# Altium PCB EVK-IRIS-W1.PcbDoc (part 2 of 9) (continued)
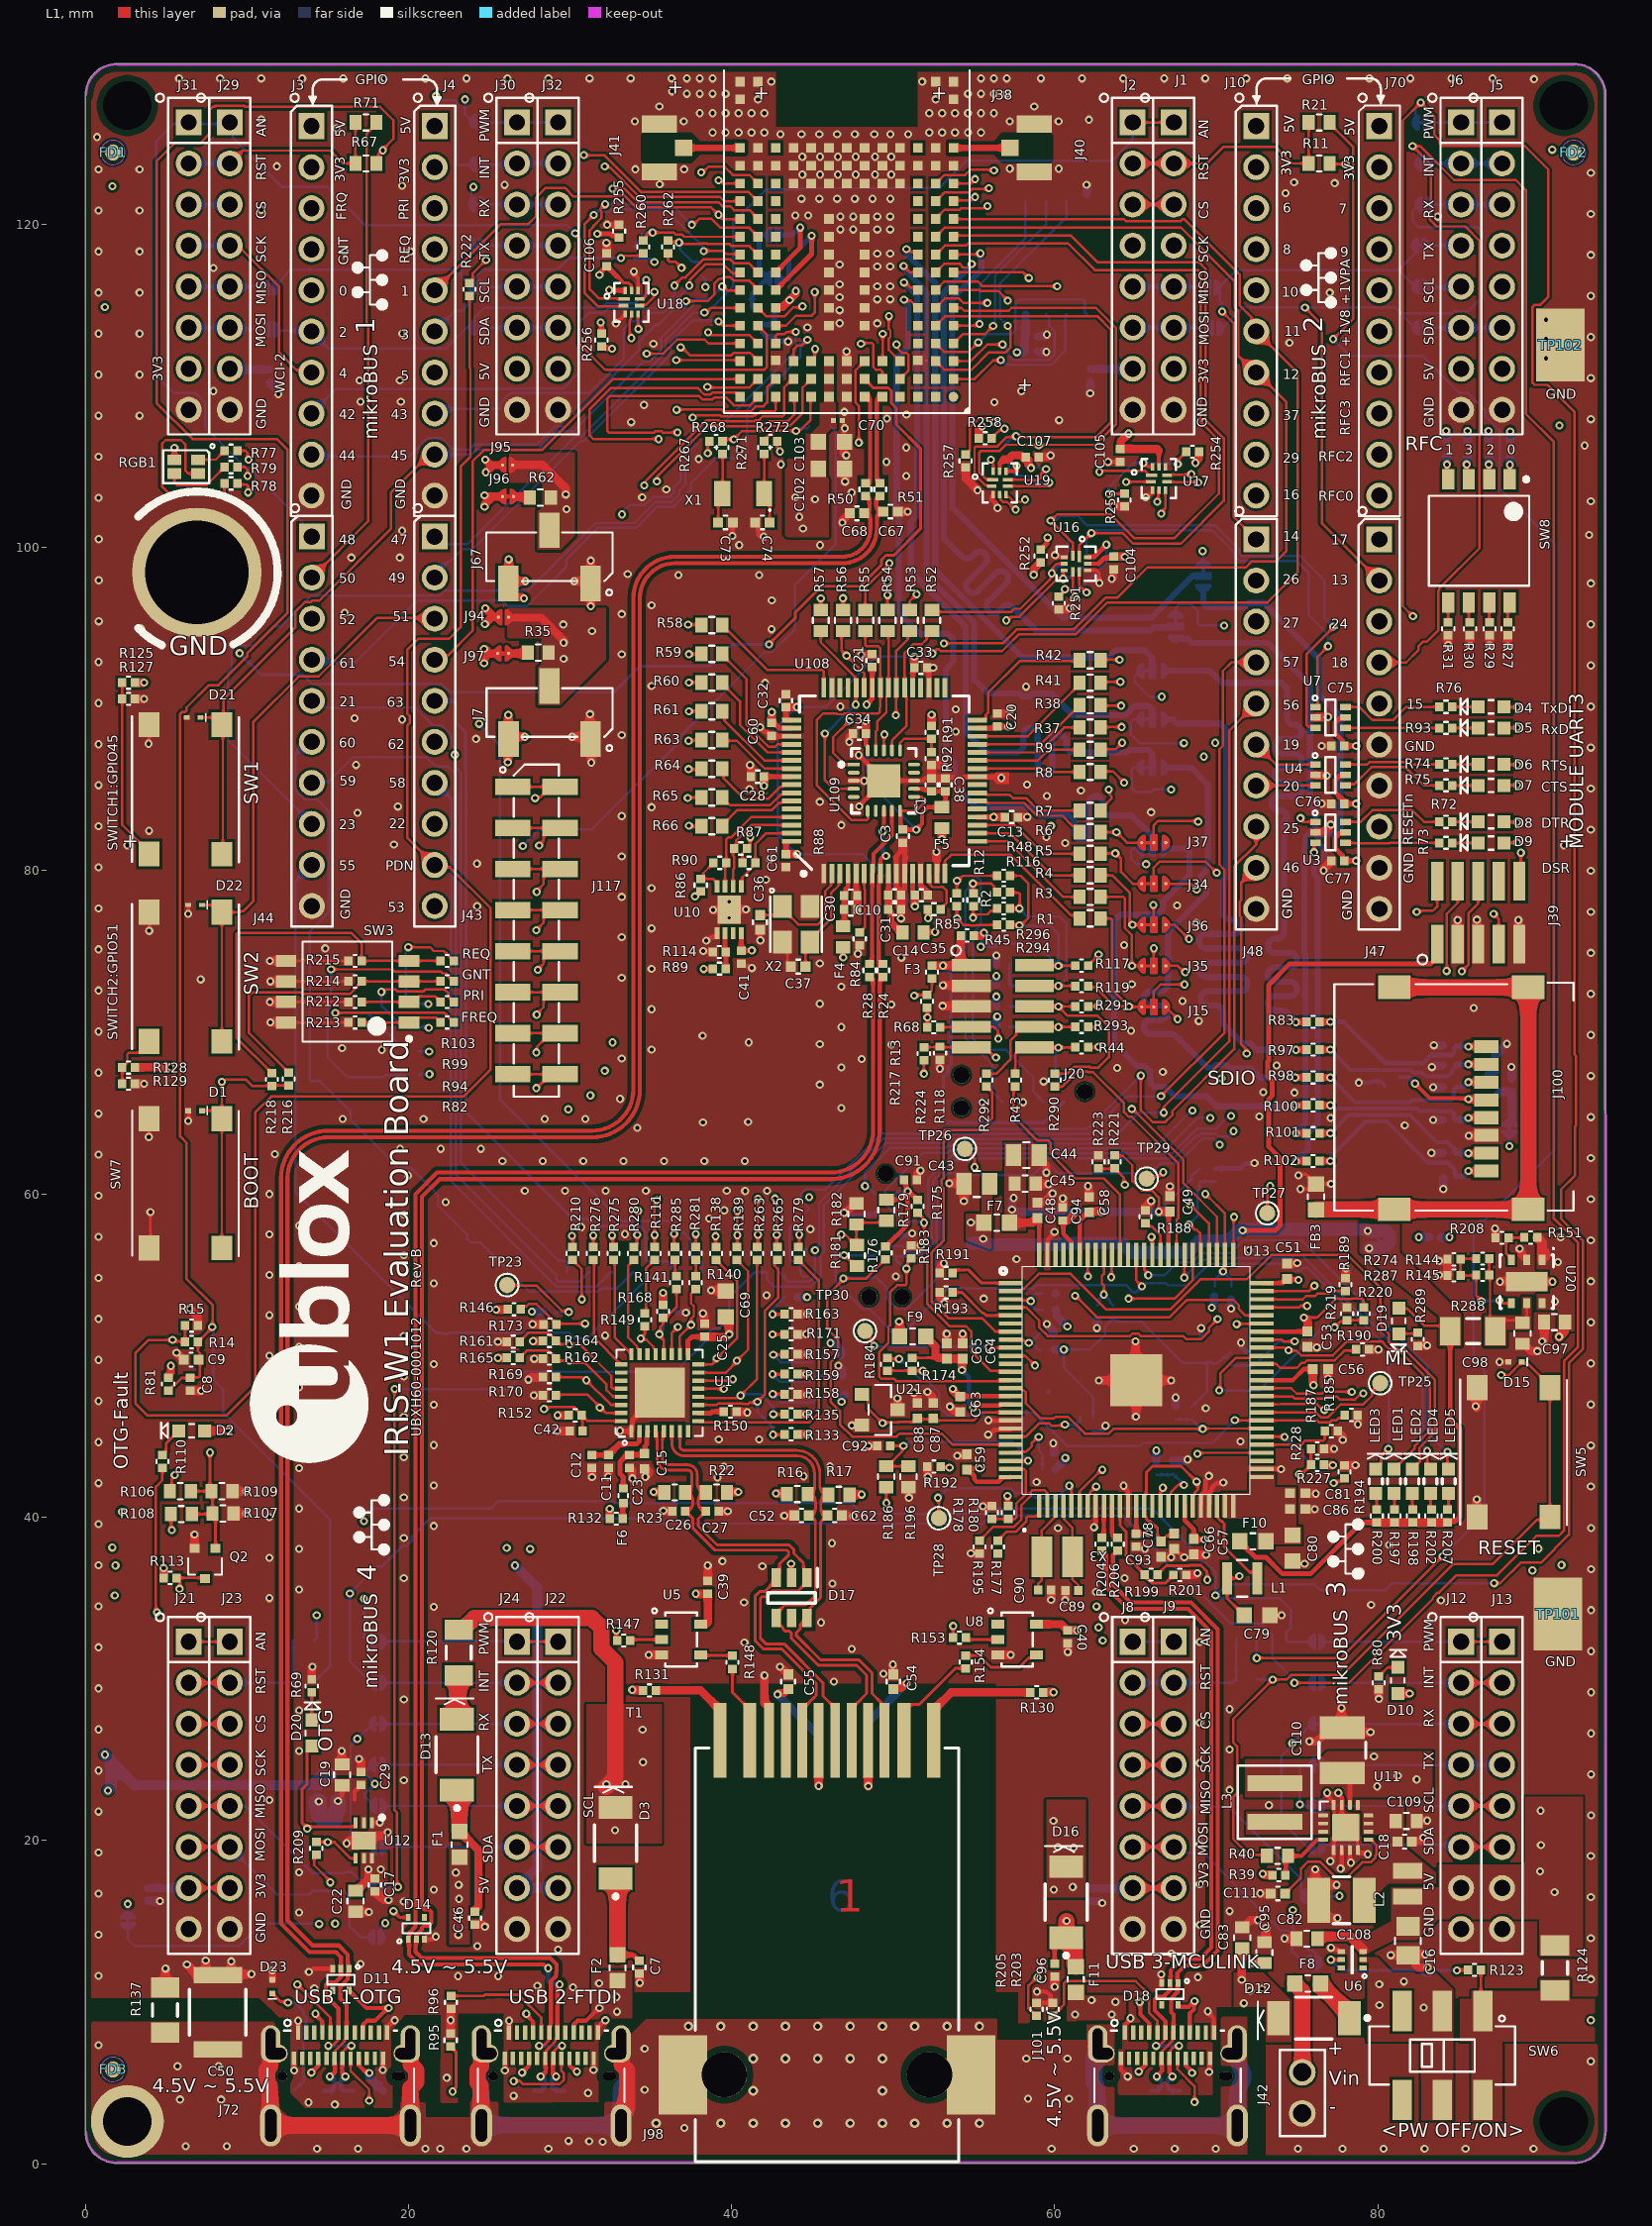
[diagram p0: L1 view]
## Footprints (in the part's own frame and the unit in brackets; to place one, negate y for a bottom-side part, rotate by r counter-clockwise, add the part's x,y. Pads: shape width x height; smd on the part's side, far side on the other; paste and mask are expansions set on the pad) (continued)
  rect 0.6x0.6 smd: 1(-0.475,0) 2(0.475,0)
  body extent -0.55,-0.3 0.55,0.3, height 0.6
Cap_0402_1100Lx600Wx600H_600x600Pad_350G_FLX#2 [mm] "Chip Capacitor, 2-Leads, 0402, Tolerance +/-0.1mm, Body max. 1.10x0.60mm, Approved by Flex (Cadence Library compatible)"
  rect 0.6x0.6 smd mask+0: 1(-0.475,0)
  rect 0.6x0.6 smd: 2(0.475,0)
  body extent -0.55,-0.3 0.55,0.3, height 0.6
Cap_0402_1200Lx700Wx700H_600x600Pad_350G_FLX [mm] "Chip Capacitor, 2-Leads, 0402, Tolerance +/-0.2mm, Body max. 1.20x0.70mm, Approved by Flex (Cadence Library compatible)"
  rect 0.6x0.6 smd: 1(-0.475,0) 2(0.475,0)
  body extent -0.6,-0.35 0.6,0.35, height 0.7
CON_USB-C-RA_W-6Tabs [mm] "USB Type-C connector DX07S024JJ3R1300"
  round 0.6 hole 0.6 unplated paste-0.3: 26(-3.6,0)
  oval 0.85x0.5 hole 0.5 slot 0.85 at 0 deg unplated paste-0.25: 26(3.6,0)
  rect 0.27x0.9 smd: A1(-2.625,2.7) A12(2.875,2.7)
  rect 0.27x0.9 smd mask+0.05: A2(-2.125,2.7) A3(-1.625,2.7) A4(-1.125,2.7) A5(-0.625,2.7) A6(-0.125,2.7) A7(0.375,2.7) A8(0.875,2.7) A9(1.375,2.7) A10(1.875,2.7) A11(2.375,2.7)
  rect 0.27x0.8 smd: B1(2.625,1.1) B12(-2.875,1.1)
  rect 0.27x0.8 smd mask+0.05: B2(2.125,1.1) B3(1.625,1.1) B4(1.125,1.1) B5(0.625,1.1) B6(0.125,1.1) B7(-0.375,1.1) B8(-0.875,1.1) B9(-1.375,1.1) B10(-1.875,1.1) B11(-2.375,1.1)
  rrect100% 1.3x2.6 hole 0.7 slot 2 at 90 deg paste-2.6: SHLD(-4.32,-3.05) SHLD(4.32,-3.05)
  rrect100% 1.2x2.3 hole 0.6 slot 1.9 at 90 deg paste-2.3: SHLD(-4.32,2) SHLD(4.32,2)
  rrect100% 1.65x1.1 hole 0.7 slot 1.25 at 0 deg copper offset -0.1,0 paste-1.65: SHLD(-3.995,1.4)
  rrect100% 1.65x1.1 hole 0.7 slot 1.25 at 0 deg copper offset 0.1,0 paste-1.65: SHLD(3.995,1.4)
  silkscreen extent -4.53,-1.6 4.53,3.49, body extent -4.47,-5.4 4.47,2.77, height 3.14
CONN_61300211121_WRE [mil]
  round 65 / inner round 60 / far side round 65 hole 45 paste-32.5 mask+0: 1(0,0) 2(100,0)
  silkscreen extent -55,-55 155,55
DFN10 [mm]
  rect 0.6x0.2 smd: 1(-1.001,1.801) 2(-1.001,1.001) 3(-1.001,0.201) 4(-1.001,-0.599) 5(-1.001,-1.399) 6(0.999,-1.799) 7(0.999,-0.999) 8(0.999,-0.199) 9(0.999,0.601) 10(0.999,1.401)
  rect 0.8x1.4 smd: 11(-0.001,0.401)
  silkscreen extent -1.8,-2.05 1,2.05, body extent -1,-2.05 1,2.05, height 0.65
DFN-MC8 [mm] "SON, 8-Leads, Body 2x3mm, Pitch 0.5mm, Microchip Recommended"
  rect 0.75x0.3 smd: 1(-1.45,0.75) 2(-1.45,0.25) 3(-1.45,-0.25) 4(-1.45,-0.75) 5(1.45,-0.75) 6(1.45,-0.25) 7(1.45,0.25) 8(1.45,0.75)
  rect 1.75x1.45 smd: 9(0,0)
  silkscreen extent -2.18,1.05 -2.09,1.15, body extent -1.55,-1.05 1.55,1.05, height 1
DFN-PSON.1P3X3-7pin_HS-7N [mm] "PSON, 6-Leads, Body 3,00x3,00mm, Pitch 0,95mm, Thermal Pad 2,60x1,22mm, IPC Medium Density"
  rect 0.63x0.45 smd mask+0: 1(-1.34,0.95) 5(1.34,0) 6(1.34,0.95)
  rect 0.63x0.45 smd: 2(-1.34,0)
  rect 0.63x0.45 smd mask+0.05: 3(-1.34,-0.95) 4(1.34,-0.95)
  rect 1.22x2.6 smd: 7(0,0)
  silkscreen extent -2.1,-1.65 1.65,1.7, body extent -1.5,-1.5 1.5,1.5, height 1
"Fiducial 1mm - Circle"#1 [mm] "1mm Fiducial Mark"
  round 1 smd paste-10: ""(0,0)
  L1 keep-out circle w0.01: c0,0 r0.75
"Fiducial 1mm - Circle"#2 [mm] "1mm Fiducial Mark"
  round 1 smd paste-10: 1(0,0)
  L1 keep-out circle w0.01: c0,0 r0.75
FP-1812-L_4_6_0_5-W_3_2_0-MFG [mm]
  rect 1x3 smd paste+0 mask+0: 1(-2.3,0) 2(2.3,0)
  silkscreen extent -1.43,-1.75 1.43,1.75, body extent -2.9,-1.85 2.9,1.85, height 0.25
FP-M-FLAT-MFG#1 [mm]
  rect 1.4x2.1 smd paste+0: 1(-2.2,0)
  rect 1.4x2.1 smd paste+0 mask+0: 2(2.2,0)
  silkscreen extent -3.43,-1.3 3.47,1.3, body extent -3,-1.4 3,1.4, height 0.25
FP-M-FLAT-MFG#2 [mm]
  rect 1.4x2.1 smd paste+0: 1(-2.2,0) 2(2.2,0)
  silkscreen extent -3.43,-1.3 3.47,1.3, body extent -3,-1.4 3,1.4, height 0.25
HDR-0.1P-3Pin-1Row-SMT [mm] "Header 0.1\" Pitch, 3 Pin, 3x1, Surface Mount"
  rect 1.27x2.2 smd: 1(-2.54,1.65) 3(2.54,1.65)
  rect 1.27x2.2 smd mask+0: 2(0,-1.65)
  silkscreen extent -3.9,-1.5 3.9,2.38, body extent -3.81,-2.54 3.81,2.54, height 9.93
HDR-0.1P-10PIN-10X1-TH [mm] "Header 0.1\" Pitch, 10 Pin, 10x1, Through Hole"
  rect 1.6x1.6 hole 1: 1(0,11.43)
  round 1.6 hole 1: 2(0,8.89) 3(0,6.35) 4(0,3.81) 5(0,1.27) 6(0,-1.27) 7(0,-3.81) 8(0,-6.35) 9(0,-8.89) 10(0,-11.43)
  silkscreen extent -1.29,-12.7 1.27,13.44, body extent -1.27,-12.7 1.27,12.7, height 8.13
HDR-0.1P-10PIN-10x1-TH [mm] "Header 0.1\" Pitch, 10 Pin, 10x1, Through Hole"
  rect 1.6x1.6 hole 1: 1(0,11.43)
  round 1.6 hole 1: 2(0,8.89) 3(0,6.35) 4(0,3.81) 5(0,1.27) 6(0,-1.27) 7(0,-3.81) 8(0,-6.35) 9(0,-8.89) 10(0,-11.43)
  silkscreen extent -1.29,-12.7 1.27,13.44, body extent -1.27,-12.7 1.27,12.7, height 8.13
HDR.050P-10Pin-2x5-SMT_Key [mm] "Header, 0.05\" Pitch, 10 Pin 2 x 5, Keyed, SMT, 6.35mm x 5.84mm"
  rect 0.76x2.4 smd: 1(-2.54,-1.95) 2(-2.54,1.95) 3(-1.27,-1.95) 4(-1.27,1.95) 5(0,-1.95) 6(0,1.95) 7(1.27,-1.95) 8(1.27,1.95) 9(2.54,-1.95) 10(2.54,1.95)
  silkscreen extent -3.75,-3.2 -3.15,-2.6, body extent -3.4,-2.9 3.4,2.9, height 5.96
"IND 0402" [mm] "Chip Inductor, 2-Leads, Body 1.00x0.50mm, IPC Medium Density"
  rect 0.5x0.55 smd: 1(-0.45,0) 2(0.45,0)
  silkscreen extent -0.1,-0.3 0.1,0.3, body extent -0.53,-0.28 0.53,0.28, height 0.55
"IND 0603"#1 [mm] "Chip Inductor 0603, 2-Leads, Body 1.60x0.80mm, IPC Medium Density"
  rect 0.95x1 smd mask+0: 1(-0.8,0)
  rect 0.95x1 smd: 2(0.8,0)
  silkscreen extent -0.15,-0.5 0.15,0.5, body extent -0.87,-0.5 0.87,0.5, height 0.95
"IND 0603"#2 [mm] "Chip Inductor 0603, 2-Leads, Body 1.60x0.80mm, IPC Medium Density"
  rect 0.95x1 smd mask+0: 1(-0.8,0) 2(0.8,0)
  silkscreen extent -0.15,-0.5 0.15,0.5, body extent -0.87,-0.5 0.87,0.5, height 0.95
"IND 0603"#3 [mm] "Chip Inductor 0603, 2-Leads, Body 1.60x0.80mm, IPC Medium Density"
  rect 0.95x1 smd: 1(-0.8,0) 2(0.8,0)
  silkscreen extent -0.15,-0.5 0.15,0.5, body extent -0.87,-0.5 0.87,0.5, height 0.95
"IND 0603"#4 [mm] "Chip Inductor 0603, 2-Leads, Body 1.60x0.80mm, IPC Medium Density"
  rect 0.95x1 smd: 1(-0.8,0)
  rect 0.95x1 smd mask+0: 2(0.8,0)
  silkscreen extent -0.15,-0.5 0.15,0.5, body extent -0.87,-0.5 0.87,0.5, height 0.95
"IND 0603 HD" [mm] "Chip Inductor 0603, 2-Leads, Body 1.60x0.80mm, IPC High Density"
  rect 0.75x0.9 smd: 1(-0.65,0) 2(0.65,0)
  body extent -0.85,-0.45 0.85,0.45, height 0.9
"IND 0806" [mm] "Inductor 0806, IPC Medium density"
  rect 1x1.8 smd mask+0: 1(-0.8,0) 2(0.8,0)
  body extent -1,-0.8 1,0.8, height 1.8
Ind_4mmx4mm [mm] "Inductor 4mm Square"
  rect 0.98x3.4 smd paste+0 mask+0: 1(-1.185,0) 2(1.185,0)
  silkscreen extent -2.26,-2.26 2.29,2.29, body extent -2.15,-2.15 2.15,2.15, height 2.11
IND_LQH2HPN4R7MJRL_MUR [mil]
  rect 24.5x79 smd paste+0 mask+0: 1(-36.75,0) 2(36.75,0)
  silkscreen extent -12,-44 12,44, body extent -50,-41 51,41, height 10
IRIS-W1x6_LGA152 [mm] "IRIS LGA, 152pin ,1.1mm Pitch, 14.6mm x 20.9mm"
  round 0.6 smd: A1(-7.7,-6.6)
  rect 0.6x0.6 smd: A2(-6.6,-6.6) A3(-5.5,-6.6) A4(-4.4,-6.6) A5(-3.3,-6.6) A6(-2.2,-6.6) A7(-1.1,-6.6) A8(0,-6.6) A9(1.1,-6.6) A10(2.2,-6.6) A11(3.3,-6.6) A12(4.4,-6.6) A14(5.5,-6.6) A15(6.6,-6.6) A16(7.7,-6.6) A19(10.7,-6.6) A20(11.8,-6.6) B1(-7.7,-5.5) B2(-6.6,-5.5) B3(-5.5,-5.5) B4(-4.4,-5.5) B5(-3.3,-5.5) B6(-2.2,-5.5) B7(-1.1,-5.5) B8(0,-5.5) B9(1.1,-5.5) B10(2.2,-5.5) B11(3.3,-5.5) B12(4.4,-5.5) B14(5.5,-5.5) B15(6.6,-5.5) B16(7.7,-5.5) B20(11.8,-5.5) C1(-7.7,-4.4) C2(-6.6,-4.4) C3(-5.45,-4.4) C4(-4.4,-4.4) C5(-3.3,-4.4) C6(-2.2,-4.4) C7(-1.1,-4.4) C8(0,-4.4) C9(1.1,-4.4) C10(2.2,-4.4) C11(3.3,-4.4) C12(4.4,-4.4) C14(5.5,-4.4) C15(6.6,-4.4) C16(7.7,-4.4) D1(-7.7,-3.3) D2(-6.6,-3.3) D3(-5.5,-3.3) D14(5.5,-3.3) D15(6.6,-3.3) D16(7.7,-3.3) E1(-7.7,-2.2) E2(-6.6,-2.2) E3(-5.5,-2.2) E14(5.5,-2.2) E15(6.6,-2.2) E16(7.7,-2.2) F1(-7.7,-1.1) F2(-6.6,-1.1) F3(-5.5,-1.1) F5(-3.3,-1.1) F6(-2.2,-1.1) F7(-1.1,-1.1) F8(0,-1.1) F9(1.1,-1.1) F10(2.2,-1.1) F11(3.3,-1.1) F14(5.5,-1.1) F15(6.6,-1.1) F16(7.7,-1.1) G1(-7.7,0) G2(-6.6,0) G3(-5.5,0) G14(5.5,0) G15(6.6,0) G16(7.7,0) H1(-7.7,1.1) H2(-6.6,1.1) H3(-5.5,1.1) H5(-3.3,1.1) H6(-2.2,1.1) H7(-1.1,1.1) H8(0,1.1) H9(1.1,1.1) H10(2.2,1.1) H11(3.3,1.1) H14(5.5,1.1) H15(6.6,1.1) H16(7.7,1.1) J1(-7.7,2.2) J2(-6.6,2.2) J3(-5.5,2.2) J14(5.5,2.2) J15(6.6,2.2) J16(7.7,2.2) K1(-7.7,3.3) K2(-6.6,3.3) K3(-5.5,3.3) K14(5.5,3.3) K15(6.6,3.3) K16(7.7,3.3) L1(-7.7,4.4) L2(-6.6,4.4) L3(-5.45,4.4) L4(-4.4,4.4) L5(-3.3,4.4) L6(-2.2,4.4) L7(-1.1,4.4) L8(0,4.4) L9(1.1,4.4) L10(2.2,4.4) L11(3.3,4.4) L12(4.4,4.4) L14(5.5,4.4) L15(6.6,4.4) L16(7.7,4.4) M1(-7.7,5.5) M2(-6.6,5.5) M3(-5.5,5.5) M4(-4.4,5.5) M5(-3.3,5.5) M6(-2.2,5.5) M7(-1.1,5.5) M8(0,5.5) M9(1.1,5.5) M10(2.2,5.5) M11(3.3,5.5) M12(4.4,5.5) M14(5.5,5.5) M15(6.6,5.5) M16(7.7,5.5) M20(11.8,5.5) N1(-7.7,6.6) N2(-6.6,6.6) N3(-5.5,6.6) N4(-4.4,6.6) N5(-3.3,6.6) N6(-2.2,6.6) N7(-1.1,6.6) N8(0,6.6) N9(1.1,6.6) N10(2.2,6.6) N11(3.3,6.6) N12(4.4,6.6) N14(5.5,6.6) N15(6.6,6.6) N16(7.7,6.6) N19(10.7,6.6) N20(11.8,6.6)
  Multi-Layer pour cut-out: 9,-4.4 12.5,-4.4 12.5,4.4 9,4.4
  silkscreen extent -8.7,-7.6 12.5,7.6, body extent -8.4,-7.3 12.5,7.3, height 2.22
LED-0603 [mm] "led-0603"
  rect 0.8x0.8 smd: 1(-0.8,0) 2(0.8,0)
  silkscreen extent -1.88,-0.48 0.15,0.52, body extent -0.8,-0.4 0.8,0.4, height 0.6
LED_1616 [mm]
  rect 0.65x0.85 smd: 1(-0.425,0.725) 2(0.425,0.725) 3(0.425,-0.725) 4(-0.425,-0.725)
  silkscreen extent -1.4,-1.41 1.01,1.75, body extent -0.83,-0.83 0.83,0.83, height 0.4
Micro_SD_SKT_SMT_RA [mm] "Micro SD Card socket, Surface Mount, Right Angle with 4 ground tabs 13.6mm x 14.5mm"
  rect 0.8x1.5 smd: 1(3.85,0) 2(2.75,0) 3(1.65,0) 4(0.55,0) 5(-0.55,0) 6(-1.65,0) 7(-2.75,0) 8(-3.85,0)
  rect 1.45x2 smd: 9(-6.23,-2.6) 9(-6.23,5.7) 9(7.52,-2.6) 9(7.52,5.7)
  silkscreen extent -6.3,-5.4 7.8,9.4, body extent -6.65,-5.2 7.95,9.3, height 1.87
QFN0.5P3x3-16Pin_W-Pad [mm] "Quad Flat No-Lead, 0.5mm Pitch, 16 Contact, Exposed Pad, 3mmX3mm"
  rrect50% 0.6x0.24 smd mask+0.05: 1(-1.4,0.75) 2(-1.4,0.25) 3(-1.4,-0.25)
  rrect50% 0.6x0.24 smd: 4(-1.4,-0.75) 9(1.4,-0.75)
  rrect50% 0.24x0.6 smd: 5(-0.75,-1.4) 6(-0.25,-1.4) 7(0.25,-1.4) 8(0.75,-1.4) 14(0.25,1.4) 15(-0.25,1.4) 16(-0.75,1.4)
  rrect50% 0.6x0.24 smd mask+0: 10(1.4,-0.25) 11(1.4,0.25) 12(1.4,0.75)
  rrect50% 0.24x0.6 smd mask+0: 13(0.75,1.4)
  rrect10% 1.68x1.68 smd: EPAD(0,0)
  silkscreen extent -1.6,1.1 -1.1,1.6, body extent -1.52,-1.52 1.52,1.52, height 0.9
QFN0.5P8x8-32Pin_W-Pad [mm]
  rect 0.76x0.26 smd: 1(-2.385,1.75) 2(-2.385,1.25) 3(-2.385,0.75) 4(-2.385,0.25) 5(-2.385,-0.25) 6(-2.385,-0.75) 7(-2.385,-1.25) 8(-2.385,-1.75) 17(2.385,-1.75) 18(2.385,-1.25) 19(2.385,-0.75) 20(2.385,-0.25) 21(2.385,0.25) 22(2.385,0.75) 23(2.385,1.25) 24(2.385,1.75)
  rect 0.26x0.76 smd: 9(-1.75,-2.385) 10(-1.25,-2.385) 11(-0.75,-2.385) 12(-0.25,-2.385) 13(0.25,-2.385) 14(0.75,-2.385) 15(1.25,-2.385) 16(1.75,-2.385) 25(1.75,2.385) 26(1.25,2.385) 27(0.75,2.385) 28(0.25,2.385) 29(-0.25,2.385) 30(-0.75,2.385) 31(-1.25,2.385) 32(-1.75,2.385)
  rect 3.1x3.1 smd: 33(0,0)
  silkscreen extent -3.24,-2.67 2.67,2.74, body extent -2.52,-2.52 2.52,2.52, height 1
QFN_5x5_FT231XQ [mm]
  rect 0.74x0.242 smd paste+0 mask+0: 1(-1.866,1)
  rrect100% 0.74x0.242 smd paste+0 mask+0: 2(-1.866,0.5) 3(-1.866,0) 4(-1.866,-0.5) 5(-1.866,-1) 11(1.865,-1) 12(1.865,-0.5) 13(1.865,0) 14(1.865,0.5) 15(1.865,1)
  rrect100% 0.242x0.74 smd paste+0 mask+0: 6(-1,-1.865) 7(-0.5,-1.865) 8(0,-1.865) 9(0.5,-1.865) 10(1,-1.865) 16(1,1.866) 17(0.5,1.866) 18(0,1.866) 19(-0.5,1.866) 20(-1,1.866)
  rect 2.05x2.05 smd paste-1000 mask+0: 21(0,0)
  silkscreen extent -2.76,-2 2,2, body extent -2.34,-2.34 2.34,2.34, height 0.25
QFP0.5P16x16-64Pin_HD [mm] "Thin QFP, 64Pin, Body 10x10mm, Pitch 0.5mm, IPC High Density"
  rect 1.2x0.3 smd: 1(-5.75,3.75) 5(-5.75,1.75) 10(-5.75,-0.75) 11(-5.75,-1.25) 15(-5.75,-3.25) 35(5.75,-2.75) 47(5.75,3.25)
  rect 1.2x0.3 smd mask+0.05: 2(-5.75,3.25) 3(-5.75,2.75) 4(-5.75,2.25) 6(-5.75,1.25) 7(-5.75,0.75) 8(-5.75,0.25) 9(-5.75,-0.25) 12(-5.75,-1.75) 13(-5.75,-2.25) 14(-5.75,-2.75) 16(-5.75,-3.75) 33(5.75,-3.75) 34(5.75,-3.25) 36(5.75,-2.25) 37(5.75,-1.75) 38(5.75,-1.25) 39(5.75,-0.75) 40(5.75,-0.25) 41(5.75,0.25) 42(5.75,0.75) 43(5.75,1.25) 44(5.75,1.75) 45(5.75,2.25) 46(5.75,2.75) 48(5.75,3.75)
  rect 0.3x1.2 smd mask+0.05: 17(-3.75,-5.75) 18(-3.25,-5.75) 19(-2.75,-5.75) 20(-2.25,-5.75) 21(-1.75,-5.75) 22(-1.25,-5.75) 23(-0.75,-5.75) 24(-0.25,-5.75) 26(0.75,-5.75) 27(1.25,-5.75) 28(1.75,-5.75) 29(2.25,-5.75) 30(2.75,-5.75) 31(3.25,-5.75) 32(3.75,-5.75) 49(3.75,5.75) 50(3.25,5.75) 52(2.25,5.75) 53(1.75,5.75) 54(1.25,5.75) 55(0.75,5.75) 56(0.25,5.75) 57(-0.25,5.75) 58(-0.75,5.75) 59(-1.25,5.75) 60(-1.75,5.75) 61(-2.25,5.75) 62(-2.75,5.75) 63(-3.25,5.75) 64(-3.75,5.75)
  rect 0.3x1.2 smd: 25(0.25,-5.75) 51(2.75,5.75)
  silkscreen extent -5.87,-5.25 5.25,5.5, body extent -5,-5 5,5, height 1.6
QFP50P1600X1600X160-101N [mm]
  rect 1.45x0.27 smd: 1(-7.775,6) 2(-7.775,5.5) 3(-7.775,5) 4(-7.775,4.5) 5(-7.775,4) 6(-7.775,3.5) 7(-7.775,3) 8(-7.775,2.5) 9(-7.775,2) 10(-7.775,1.5) 11(-7.775,1) 12(-7.775,0.5) 13(-7.775,0) 14(-7.775,-0.5) 15(-7.775,-1) 16(-7.775,-1.5) 17(-7.775,-2) 18(-7.775,-2.5) 19(-7.775,-3) 20(-7.775,-3.5) 21(-7.775,-4) 22(-7.775,-4.5) 23(-7.775,-5) 24(-7.775,-5.5) 25(-7.775,-6) 52(7.775,-5.5) 53(7.775,-5) 54(7.775,-4.5) 55(7.775,-4) 56(7.775,-3.5) 57(7.775,-3) 58(7.775,-2.5) 59(7.775,-2) 60(7.775,-1.5) 61(7.775,-1) 62(7.775,-0.5) 63(7.775,0) 64(7.775,0.5) 65(7.775,1) 66(7.775,1.5) 67(7.775,2) 68(7.775,2.5) 69(7.775,3) 70(7.775,3.5) 71(7.775,4) 72(7.775,4.5) 73(7.775,5) 74(7.775,5.5) 75(7.775,6)
  rect 0.27x1.45 smd: 26(-6,-7.775) 27(-5.5,-7.775) 28(-5,-7.775) 29(-4.5,-7.775) 30(-4,-7.775) 31(-3.5,-7.775) 32(-3,-7.775) 33(-2.5,-7.775) 34(-2,-7.775) 35(-1.5,-7.775) 36(-1,-7.775) 37(-0.5,-7.775) 38(0,-7.775) 39(0.5,-7.775) 40(1,-7.775) 41(1.5,-7.775) 42(2,-7.775) 43(2.5,-7.775) 44(3,-7.775) 45(3.5,-7.775) 46(4,-7.775) 47(4.5,-7.775) 48(5,-7.775) 76(6,7.775) 77(5.5,7.775) 78(5,7.775) 79(4.5,7.775) 80(4,7.775) 81(3.5,7.775) 82(3,7.775) 83(2.5,7.775) 84(2,7.775) 85(1.5,7.775) 86(1,7.775) 87(0.5,7.775) 88(0,7.775) 89(-0.5,7.775) 90(-1,7.775) 91(-1.5,7.775) 92(-2,7.775) 93(-2.5,7.775) 94(-3,7.775) 95(-3.5,7.775) 96(-4,7.775) 97(-4.5,7.775) 98(-5,7.775) 99(-5.5,7.775) 100(-6,7.775)
  rect 0.27x1.45 smd mask+0: 49(5.5,-7.775) 50(6,-7.775)
  rect 1.45x0.27 smd mask+0: 51(7.775,-6)
  rect 3.21x3.21 smd: 101(0,0)
  silkscreen extent -8.41,-7.05 7.05,7.05, body extent -10,-3.38 10,3.38, height 5.8
"RES 0402 HD"#1 [mm] "Chip Resistor, 2-Leads, Body 1.05x0.54mm, IPC High Density"
  rect 0.52x0.55 smd: 1(-0.4,0) 2(0.4,0)
  silkscreen extent -0.1,-0.38 0.1,0.38, body extent -0.55,-0.3 0.55,0.3, height 0.4
"RES 0402 HD"#2 [mm] "Chip Resistor, 2-Leads, Body 1.05x0.54mm, IPC High Density"
  rect 0.52x0.55 smd: 1(-0.384,0) 2(0.4,0)
  silkscreen extent -0.1,-0.38 0.1,0.38, body extent -0.55,-0.3 0.55,0.3, height 0.4
"RES 0603 HD"#1 [mm] "Chip Resistor, 2-Leads, Body 1.60x0.80mm, IPC High Density"
  rect 0.75x0.9 smd: 1(-0.65,0) 2(0.65,0)
  silkscreen extent -0.15,-0.5 0.15,0.5, body extent -0.85,-0.48 0.85,0.48, height 0.55
"RES 0603 HD"#2 [mm] "Chip Resistor, 2-Leads, Body 1.60x0.80mm, IPC High Density"
  rect 0.75x0.9 smd mask+0: 1(-0.65,0)
  rect 0.75x0.9 smd: 2(0.65,0)
  silkscreen extent -0.15,-0.5 0.15,0.5, body extent -0.85,-0.48 0.85,0.48, height 0.55
"RES 0603 HD"#3 [mm] "Chip Resistor, 2-Leads, Body 1.60x0.80mm, IPC High Density"
  rect 0.75x0.9 smd: 1(-0.65,0)
  rect 0.75x0.9 smd mask+0: 2(0.65,0)
  silkscreen extent -0.15,-0.5 0.15,0.5, body extent -0.85,-0.48 0.85,0.48, height 0.55
"RES 1206"#1 [mm]
  rect 1.25x1.75 smd: 1(-1.4,0) 2(1.4,0)
  silkscreen extent -0.4,-0.77 0.4,0.77, body extent -1.68,-0.87 1.68,0.87, height 0.71
"RES 1206"#2 [mm]
  rect 1.25x1.75 smd mask+0: 1(-1.4,0) 2(1.4,0)
  silkscreen extent -0.4,-0.77 0.4,0.77, body extent -1.68,-0.87 1.68,0.87, height 0.71
"RES 1206"#3 [mm]
  rect 1.25x1.75 smd: 1(-1.4,0)
  rect 1.25x1.75 smd mask+0: 2(1.4,0)
  silkscreen extent -0.4,-0.77 0.4,0.77, body extent -1.68,-0.87 1.68,0.87, height 0.71
SC70-6 [mm] "SC70-6, 6-Pin, Body 2.00x2.10mm, Pitch 0.65mm, IPC High Density"
  rect 0.66x0.4 smd: 1(-0.925,0.65) 2(-0.925,0) 3(-0.925,-0.65) 4(0.925,-0.65) 5(0.925,0) 6(0.925,0.65)
  silkscreen extent -1.1,-1.1 0.3,1.35, body extent -0.67,-1.1 0.67,1.1, height 1.1
SKT-0.1P-8PIN-8X1_TH [mm] "8 pin socket"
  rect 1.6x1.6 hole 1: 1(0,0)
  round 1.6 hole 1: 2(2.54,0) 3(5.08,0) 4(7.62,0) 5(10.16,0) 6(12.7,0) 7(15.24,0) 8(17.78,0)
  silkscreen extent -1.78,-2.03 19.3,1.27, body extent -1.52,-1.27 19.3,1.27, height 8.51
SKT-0.1P-8PIN-8x1_TH [mm] "8 pin socket"
  rect 1.6x1.6 hole 1: 1(0,0)
  round 1.6 hole 1: 2(2.54,0) 3(5.08,0) 4(7.62,0) 5(10.16,0) 6(12.7,0) 7(15.24,0) 8(17.78,0)
  silkscreen extent -1.78,-2.03 19.3,1.27, body extent -1.52,-1.27 19.3,1.27, height 8.51
SKT-0.1P-SSM-108-L-SV [mm] "Con Socket Strip 0.1\" 8 Pin 1Row SMD, 20.32mm x 2.54mm"
  rect 1.02x2.19 smd: 1(-8.89,-1.465) 1(-8.89,1.465) 2(-6.35,-1.465) 2(-6.35,1.465) 3(-3.81,-1.465) 3(-3.81,1.465) 4(-1.27,1.465) 4(-1.27,-1.465) 5(1.27,1.465) 5(1.27,-1.465) 6(3.81,-1.465) 6(3.81,1.465) 7(6.35,-1.465) 7(6.35,1.465) 8(8.89,-1.465) 8(8.89,1.465)
  silkscreen extent -10.28,-2.24 10.28,1.4, body extent -10.16,-2.29 10.16,2.29, height 7.44
SMT-0603 [mm]
  rect 0.8x0.8 smd: 1(-0.75,0) 2(0.75,0)
  silkscreen extent -1.71,-0.5 0.17,0.5, body extent -0.84,-0.4 0.86,0.4, height 0.67
SOD-923#1 [mm] "SOD-923, 2-Leads, Body 1.25x2.50mm, IPC High Density,"
  rect 0.36x0.35 smd mask+0.05: 1(-0.42,0) 2(0.42,0)
  silkscreen extent -0.75,-0.25 -0.75,0.25, body extent -0.4,-0.3 0.4,0.3, height 0.4
SOD-923#2 [mm] "SOD-923, 2-Leads, Body 1.25x2.50mm, IPC High Density,"
  rect 0.36x0.25 smd mask+0.05: 1(-0.42,0) 2(0.42,0)
  silkscreen extent -0.75,-0.25 -0.75,0.25, body extent -0.4,-0.3 0.4,0.3, height 0.4
SOIC-8W [mm] "SOIC, 8-Leads, Wide Body 5.28x5.28mm, Pitch 1.27mm, IPC High Density"
  rect 1.4x0.55 smd: 1(-3.5,1.905) 2(-3.5,0.635) 3(-3.5,-0.635) 4(-3.5,-1.905) 5(3.5,-1.905) 6(3.5,-0.635) 7(3.5,0.635) 8(3.5,1.905)
  silkscreen extent -3.62,-2.7 2.4,2.99, body extent -2.7,-2.7 2.7,2.7, height 2.16
Solderbridge-Open#1 [mm]
  round 0.2 smd paste-10: 1(0,0) 2(0.625,0)
  L1 region: 0.389,0.432 0.465,0.505 0.583,0.467 0.648,0.424 0.721,0.351 0.775,0.292 0.833,0.193 0.861,0.099 0.856,-0.122 0.831,-0.193 0.747,-0.33 0.663,-0.411 0.571,-0.469 0.47,-0.5 0.419,-0.483 0.389,-0.43
  L1 region: 0.236,-0.432 0.16,-0.505 0.042,-0.467 -0.023,-0.424 -0.097,-0.351 -0.15,-0.292 -0.208,-0.193 -0.236,-0.099 -0.231,0.122 -0.206,0.193 -0.122,0.33 -0.038,0.411 0.054,0.469 0.155,0.5 0.206,0.483 0.236,0.43
  L1 lines w0.152: -0.137,-0.178 ccw(c0.27,0) 0,-0.353 ccw(c0.27,0) 0.103,-0.412 ccw(c0.27,0) 0.11,-0.415 ccw(c0.27,0) 0.159,-0.431 ; 0,0.353 cw(c0.27,0) 0.025,0.371 cw(c0.27,0) 0.159,0.431 ; 0.465,0.431 cw(c0.355,0) 0.774,0.149 cw(c0.355,0) 0.799,0 cw(c0.355,0) 0.774,-0.149 cw(c0.355,0) 0.762,-0.178 cw(c0.355,0) 0.465,-0.431
Solderbridge-Open#2 [mm]
  round 0.2 smd paste-10: 1(0,0) 2(0.625,0)
  L1 region: 0.236,-0.432 0.16,-0.505 0.042,-0.467 -0.023,-0.424 -0.097,-0.351 -0.15,-0.292 -0.208,-0.193 -0.236,-0.099 -0.231,0.122 -0.206,0.193 -0.122,0.33 -0.038,0.411 0.054,0.469 0.155,0.5 0.206,0.483 0.236,0.43
  L1 region: 0.389,0.432 0.465,0.505 0.583,0.467 0.648,0.424 0.721,0.351 0.775,0.292 0.833,0.193 0.861,0.099 0.856,-0.122 0.831,-0.193 0.747,-0.33 0.663,-0.411 0.571,-0.469 0.47,-0.5 0.419,-0.483 0.389,-0.43
  L1 lines w0.152: 0.159,0.431 ccw(c0.27,0) 0.025,0.371 ccw(c0.27,0) 0,0.353 ccw(c0.27,0) -0.175,0 ccw(c0.27,0) -0.149,-0.149 ccw(c0.27,0) -0.137,-0.178 ccw(c0.27,0) 0,-0.353 ccw(c0.27,0) 0.103,-0.412 ccw(c0.27,0) 0.11,-0.415 ccw(c0.27,0) 0.159,-0.431 ; 0.465,0.431 cw(c0.355,0) 0.774,0.149 cw(c0.355,0) 0.799,0 cw(c0.355,0) 0.799,-0.021 cw(c0.355,0) 0.774,-0.149 cw(c0.355,0) 0.762,-0.178 cw(c0.355,0) 0.465,-0.431
Solderbridge-Open#3 [mm]
  round 0.2 smd paste-10: 1(0,0) 2(0.625,0)
  L1 region: 0.236,-0.432 0.16,-0.505 0.042,-0.467 -0.023,-0.424 -0.097,-0.351 -0.15,-0.292 -0.208,-0.193 -0.236,-0.099 -0.231,0.122 -0.206,0.193 -0.122,0.33 -0.038,0.411 0.054,0.469 0.155,0.5 0.206,0.483 0.236,0.43
  L1 region: 0.389,0.432 0.465,0.505 0.583,0.467 0.648,0.424 0.721,0.351 0.775,0.292 0.833,0.193 0.861,0.099 0.856,-0.122 0.831,-0.193 0.747,-0.33 0.663,-0.411 0.571,-0.469 0.47,-0.5 0.419,-0.483 0.389,-0.43
  L1 lines w0.152: 0.159,0.431 ccw(c0.27,0) 0.025,0.371 ccw(c0.27,0) 0,0.353 ccw(c0.27,0) -0.175,0 ccw(c0.27,0) -0.137,-0.178 ccw(c0.27,0) 0,-0.353 ccw(c0.27,0) 0.103,-0.412 ccw(c0.27,0) 0.11,-0.415 ccw(c0.27,0) 0.159,-0.431 ; 0.465,0.431 cw(c0.355,0) 0.774,0.149 cw(c0.355,0) 0.799,0 cw(c0.355,0) 0.774,-0.149 cw(c0.355,0) 0.762,-0.178 cw(c0.355,0) 0.465,-0.431
Solderbridge-Open#4 [mm]
  round 0.2 smd paste-10: 1(0,0) 2(0.625,0)
  L1 region: 0.236,-0.432 0.16,-0.505 0.042,-0.467 -0.023,-0.424 -0.097,-0.351 -0.15,-0.292 -0.208,-0.193 -0.236,-0.099 -0.231,0.122 -0.206,0.193 -0.122,0.33 -0.038,0.411 0.054,0.469 0.155,0.5 0.206,0.483 0.236,0.43
  L1 region: 0.389,0.432 0.465,0.505 0.583,0.467 0.648,0.424 0.721,0.351 0.775,0.292 0.833,0.193 0.861,0.099 0.856,-0.122 0.831,-0.193 0.747,-0.33 0.663,-0.411 0.571,-0.469 0.47,-0.5 0.419,-0.483 0.389,-0.43
  L1 lines w0.152: -0.137,-0.178 ccw(c0.27,0) 0,-0.353 ccw(c0.27,0) 0.103,-0.412 ccw(c0.27,0) 0.11,-0.415 ccw(c0.27,0) 0.159,-0.431 ; 0,0.353 cw(c0.27,0) 0.025,0.371 cw(c0.27,0) 0.159,0.431 ; 0.465,0.431 cw(c0.355,0) 0.774,0.149 ; 0.465,-0.431 ccw(c0.355,0) 0.762,-0.178 ccw(c0.355,0) 0.774,-0.149
Solderbridge-Open#5 [mm]
  round 0.2 smd paste-10: 1(0,0) 2(0.625,0)
  L1 region: 0.389,0.432 0.465,0.505 0.583,0.467 0.648,0.424 0.721,0.351 0.775,0.292 0.833,0.193 0.861,0.099 0.856,-0.122 0.831,-0.193 0.747,-0.33 0.663,-0.411 0.571,-0.469 0.47,-0.5 0.419,-0.483 0.389,-0.43
  L1 region: 0.236,-0.432 0.16,-0.505 0.042,-0.467 -0.023,-0.424 -0.097,-0.351 -0.15,-0.292 -0.208,-0.193 -0.236,-0.099 -0.231,0.122 -0.206,0.193 -0.122,0.33 -0.038,0.411 0.054,0.469 0.155,0.5 0.206,0.483 0.236,0.43
  L1 lines w0.152: 0.159,0.431 ccw(c0.27,0) 0.025,0.371 ccw(c0.27,0) 0,0.353 ccw(c0.27,0) -0.059,0.299 ccw(c0.27,0) -0.175,0 ccw(c0.27,0) -0.137,-0.178 ccw(c0.27,0) -0.121,-0.211 ccw(c0.27,0) -0.119,-0.214 ccw(c0.27,0) 0,-0.353 ccw(c0.27,0) 0.103,-0.412 ccw(c0.27,0) 0.11,-0.415 ccw(c0.27,0) 0.159,-0.431 ; 0.465,0.431 cw(c0.355,0) 0.774,0.149 cw(c0.355,0) 0.799,0 cw(c0.355,0) 0.774,-0.149 cw(c0.355,0) 0.762,-0.178 cw(c0.355,0) 0.465,-0.431
Solderbridge-Open#6 [mm]
  round 0.2 smd paste-10: 1(0,0) 2(0.625,0)
  L1 region: 0.389,0.432 0.465,0.505 0.583,0.467 0.648,0.424 0.721,0.351 0.775,0.292 0.833,0.193 0.861,0.099 0.856,-0.122 0.831,-0.193 0.747,-0.33 0.663,-0.411 0.571,-0.469 0.47,-0.5 0.419,-0.483 0.389,-0.43
  L1 region: 0.236,-0.432 0.16,-0.505 0.042,-0.467 -0.023,-0.424 -0.097,-0.351 -0.15,-0.292 -0.208,-0.193 -0.236,-0.099 -0.231,0.122 -0.206,0.193 -0.122,0.33 -0.038,0.411 0.054,0.469 0.155,0.5 0.206,0.483 0.236,0.43
  L1 lines w0.152: 0.159,0.431 ccw(c0.27,0) 0.025,0.371 ccw(c0.27,0) 0,0.353 ccw(c0.27,0) -0.175,0 ccw(c0.27,0) -0.161,-0.11 ccw(c0.27,0) -0.137,-0.178 ccw(c0.27,0) 0,-0.353 ccw(c0.27,0) 0.103,-0.412 ccw(c0.27,0) 0.11,-0.415 ccw(c0.27,0) 0.159,-0.431 ; 0.465,0.431 cw(c0.355,0) 0.774,0.149 cw(c0.355,0) 0.799,0 cw(c0.355,0) 0.774,-0.149 cw(c0.355,0) 0.762,-0.178 cw(c0.355,0) 0.465,-0.431
Solderbridge-Open#7 [mm]
  round 0.2 smd paste-10: 1(0,0) 2(0.625,0)
  L1 region: 0.236,-0.432 0.16,-0.505 0.042,-0.467 -0.023,-0.424 -0.097,-0.351 -0.15,-0.292 -0.208,-0.193 -0.236,-0.099 -0.231,0.122 -0.206,0.193 -0.122,0.33 -0.038,0.411 0.054,0.469 0.155,0.5 0.206,0.483 0.236,0.43
  L1 region: 0.389,0.432 0.465,0.505 0.583,0.467 0.648,0.424 0.721,0.351 0.775,0.292 0.833,0.193 0.861,0.099 0.856,-0.122 0.831,-0.193 0.747,-0.33 0.663,-0.411 0.571,-0.469 0.47,-0.5 0.419,-0.483 0.389,-0.43
  L1 lines w0.152: 0.159,0.431 ccw(c0.27,0) 0.025,0.371 ccw(c0.27,0) 0,0.353 ccw(c0.27,0) -0.175,0 ccw(c0.27,0) -0.174,-0.009 ccw(c0.27,0) -0.137,-0.178 ccw(c0.27,0) 0,-0.353 ccw(c0.27,0) 0.103,-0.412 ccw(c0.27,0) 0.11,-0.415 ccw(c0.27,0) 0.159,-0.431
Solderbridge-Open#8 [mm]
  round 0.2 smd paste-10: 1(0,0) 2(0.625,0)
  L1 region: 0.389,0.432 0.465,0.505 0.583,0.467 0.648,0.424 0.721,0.351 0.775,0.292 0.833,0.193 0.861,0.099 0.856,-0.122 0.831,-0.193 0.747,-0.33 0.663,-0.411 0.571,-0.469 0.47,-0.5 0.419,-0.483 0.389,-0.43
  L1 region: 0.236,-0.432 0.16,-0.505 0.042,-0.467 -0.023,-0.424 -0.097,-0.351 -0.15,-0.292 -0.208,-0.193 -0.236,-0.099 -0.231,0.122 -0.206,0.193 -0.122,0.33 -0.038,0.411 0.054,0.469 0.155,0.5 0.206,0.483 0.236,0.43
  L1 lines w0.152: 0.159,0.431 ccw(c0.27,0) 0.025,0.371 ccw(c0.27,0) 0,0.353 ccw(c0.27,0) -0.175,0 ccw(c0.27,0) -0.137,-0.178 ccw(c0.27,0) 0,-0.353 ccw(c0.27,0) 0.103,-0.412 ccw(c0.27,0) 0.11,-0.415 ccw(c0.27,0) 0.159,-0.431
Solderbridge-Option#1 [mm]
  round 0.2 smd paste-10: 1(0,0) 2(0.75,0) 3(1.501,0)
  L1 region: 0.575,0.45 0.575,-0.45 0.925,-0.45 0.925,0.45
  L1 region: 0.236,-0.432 0.16,-0.505 0.042,-0.467 -0.023,-0.424 -0.097,-0.351 -0.15,-0.292 -0.208,-0.193 -0.236,-0.099 -0.231,0.122 -0.206,0.193 -0.122,0.33 -0.038,0.411 0.054,0.469 0.155,0.5 0.206,0.483 0.236,0.43
  L1 region: 1.265,0.432 1.341,0.505 1.459,0.467 1.523,0.424 1.597,0.351 1.65,0.292 1.709,0.193 1.737,0.099 1.732,-0.122 1.706,-0.193 1.623,-0.33 1.539,-0.411 1.447,-0.469 1.346,-0.5 1.295,-0.483 1.265,-0.43
  L1 lines w0.152: 0.159,-0.431 cw(c0.27,0) 0.159,0.431 ; 1.341,-0.431 ccw(c1.231,0) 1.341,0.431
  L1 lines w0.153: 0.575,-0.45 0.575,0.45 0.925,0.45 0.925,-0.45 0.575,-0.45
  L1 lines w0.203: 0,0 0.75,0
Solderbridge-Option#2 [mm]
  round 0.2 smd paste-10: 1(0,0) 2(0.75,0) 3(1.501,0)
  L1 region: 1.265,0.432 1.341,0.505 1.459,0.467 1.523,0.424 1.597,0.351 1.65,0.292 1.709,0.193 1.737,0.099 1.732,-0.122 1.706,-0.193 1.623,-0.33 1.539,-0.411 1.447,-0.469 1.346,-0.5 1.295,-0.483 1.265,-0.43
  L1 region: 0.236,-0.432 0.16,-0.505 0.042,-0.467 -0.023,-0.424 -0.097,-0.351 -0.15,-0.292 -0.208,-0.193 -0.236,-0.099 -0.231,0.122 -0.206,0.193 -0.122,0.33 -0.038,0.411 0.054,0.469 0.155,0.5 0.206,0.483 0.236,0.43
  L1 region: 0.575,0.45 0.575,-0.45 0.925,-0.45 0.925,0.45
  L1 lines w0.152: 0.159,0.431 ccw(c0.27,0) 0.159,-0.431 ; 1.341,0.431 cw(c1.231,0) 1.423,0.401 cw(c1.231,0) 1.675,0 cw(c1.231,0) 1.341,-0.431
  L1 lines w0.153: 0.575,0.45 0.575,-0.45 0.925,-0.45 0.925,0.45 0.575,0.45
  L1 lines w0.203: 0,0 0.75,0